# Altium PCB main_MM.PcbDoc (part 2 of 2) (continued)
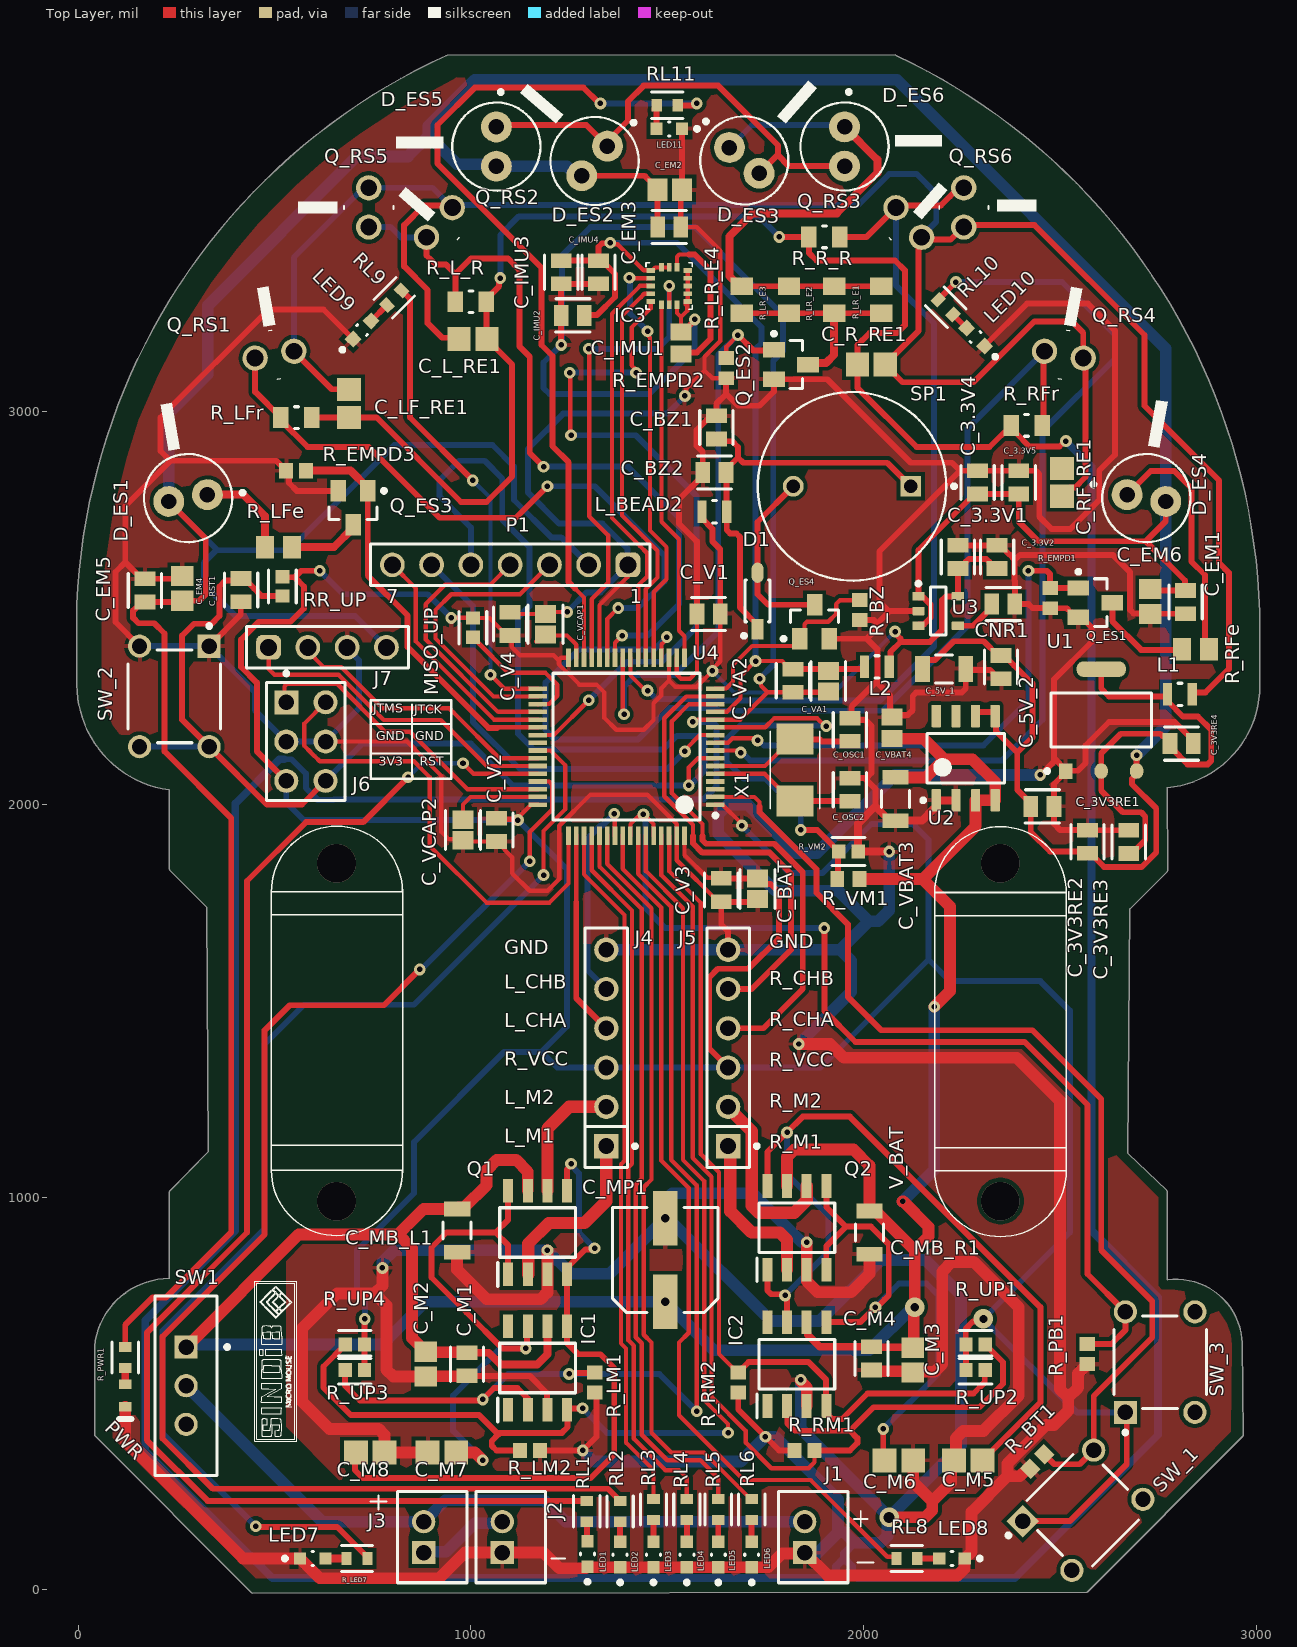
[diagram p0: Top Layer view]
## Nets (pads, with @x,y where several pads share a name; then routed paths per layer and width w, separated by ;. In a path a pad name is that pad's centre, name@x,y a point inside that pad or via, vN(x,y) a via of type N, cw(c..) or ccw(c..) an arc to the next point about the centre after c; other vN are vias at no path point) (continued)
  Top Layer w15: U1.4@2605,2344.45 2605,2295 2625,2275 2769.19,2275 L1.1@2773.5,2279.31 ; C_3V3RE3.1@2675,1875 2682.87,1875 2706.2,1898.33 2706.47,1898.33 2717.07,1908.93 2717.07,1969.45 2706.52,1980 2660,1980 2605,2035 2605,2130 2655,2180 2755,2180 2760.93,2174.07 2768.8,2174.07 2780,2162.87 C_3V3RE4.1@2780,2155 ; L1.1@2773.5,2280 L1.1@2773.5,2279.31 ; C_3V3RE4.1@2777.13,2150 2804.86,2122.27 2804.86,2122 2813.93,2112.93 2814.2,2112.93 2825.04,2102.08 2876.21,2102.08 2885,2110.87 2885,2190 2851.52,2223.48 2813.3,2223.48 2773.5,2263.27 L1.1@2773.5,2279.31
NetC_BZ1_1: C_BZ1.1 C_BZ2.1 D1.1 L_BEAD2.1 SP1.1 | length 1050.1
  Top Layer w15: C_BZ1.1@1625,2930.47 1630.76,2924.71 1665.29,2924.71 1680,2910 1680,2883.35 ; C_BZ2.1@1649.53,2845 1649.53,2852.87 1680,2883.35 ; L_BEAD2.1@1650.51,2745.98 C_BZ2.1@1650.51,2844.02 ; L_BEAD2.1@1651.5,2745 1651.5,2698.79 1660.28,2690 1676.21,2690 1685,2681.21 1685,2502.05 1730,2457.05 D1.1@1730,2446.3 ; SP1.1@2120,2810 2060,2870 1693.35,2870 1680,2883.35
NetC_IMU1_2: C_IMU1.2 IC3.14 | length 391.4
  Top Layer w11: IC3.14@1524.69,3367.24 1524.69,3394.14 1530.54,3400 1550,3400
  Top Layer w15: C_IMU1.2@1535,3147.44 1538.42,3150.86 1575.29,3150.86 1610,3185.57 1610,3360 1570,3400 1555,3400
NetC_M5_1: C_M5.1 IC2.7 Q2.1 Q2.8 | length 2147.6
  Top Layer w15: Q2.1@1755,815 1755,762.48 1764.61,752.87 1797.13,752.87 v1(1800,750) 1800,745.94 1805,740.94 IC2.7@1805,681.77 ; Q2.8@1755,1028.54 1755,1115 v1(1805,1165) 1845,1205 1965,1205 2450,720 2450,477.17 C_M5.1@2302.83,330
  Bottom Layer w15: v1(1800,750) 1910,860 1910,953.37 1805,1058.37 v1(1805,1165)
NetC_M6_1: C_M6.1 IC2.5 Q2.4 Q2.5 | length 1376.7
  Top Layer w15: IC2.5@1905,681.77 1991.77,681.77 v1(2030,720) 2034.06,720 2053.13,739.07 2053.36,739.07 2063.96,749.68 2063.96,879.89 2018.85,925 1955,925 ; Q2.4@1905,815 1905,875 1955,925 ; Q2.5@1905,1028.54 1905.19,1028.36 1905.19,974.81 1955,925 ; v1(2050,410) 2050,333.58 C_M6.1@2053.58,330
  Bottom Layer w15: v1(2030,720) 2090,780 2160,780 2190,750 2190,550 v1(2050,410)
NetC_M7_1: C_M7.1 IC1.7 Q1.1 Q1.8 | length 1375.1
  Top Layer w15: Q1.1@1095,803.23 1095,877.84 1062.84,910 ; Q1.8@1095,1016.77 1095,942.16 1062.84,910 ; IC1.7@1145,671.77 1143.27,670.04 1143.27,622.32 1140,619.06 v1(1140,615) 1080.27,615 988.7,706.57 900,795.27 900,871.8 938.2,910 1062.84,910
  Top Layer w30: C_M7.1@962.84,350 1010,350 v1(1030,330)
  Bottom Layer w15: v1(1030,330) 955,405 955,495 1075,615 v1(1140,615)
NetC_M8_1: C_M8.1 IC1.5 Q1.4 Q1.5 | length 1703.2
  Top Layer w15: C_M8.1@714.23,350 705,340.77 705,305 725,285 1305,285 1365,345 1365,565 1330,600 1273.17,600 1245.13,628.04 1245.13,671.64 IC1.5@1245,671.77 Q1.4@1245,803.23 1245,820.45 1291.68,867.13 1312.13,867.13 v1(1315,870) ; Q1.5@1245,1016.77 1245,1070.94 1255,1080.94 v1(1255,1085)
  Bottom Layer w15: v1(1255,1085) 1255,1080.94 1275,1060.94 1275,910 v1(1315,870)
NetC_OSC1_1: C_OSC1.1 U4.6 X1.1 | length 365.1
  Top Layer w11: U4.6@1622.76,2097.84 1748.74,2097.84 X1.1@1817.13,2166.22
  Top Layer w15: X1.1@1825,2166.22 1825.75,2165.47 1888.84,2165.47 1893.84,2160.47 C_OSC1.1@1965,2160.47
NetC_OSC2_1: C_OSC2.1 U4.5 X1.2 | length 362.2
  Top Layer w11: U4.5@1622.76,2078.15 1623.03,2077.87 1748,2077.87 X1.2@1817.13,2008.74
  Top Layer w15: X1.2@1825,2008.74 C_OSC2.1@1964.09,2008.74
NetC_VCAP1_2: C_VCAP1.2 U4.31 | length 128.2
  Top Layer w11: C_VCAP1.2@1166.86,2415.02 C_VCAP1.2@1172.31,2415.02 ; C_VCAP1.2@1190,2432.71 1192.71,2430 1245,2430 1268.15,2406.85 1268.15,2373.71 U4.31@1268.43,2373.43 U4.31@1268.7,2373.7
NetC_VCAP2_2: C_VCAP2.2 U4.47 | length 236.8
  Top Layer w11: C_VCAP2.2@980,1961.14 980,2000 999.1,2019.1 U4.47@1170,2019.1
NetCNR1_1: CNR1.1 U3.4 | length 113.5
  Top Layer w15: U3.4@2240,2455 2279.01,2455 2326.13,2502.13 CNR1.1@2326.13,2510
NetD1_2: D1.2 Q_ES4.3 SP1.2 | length 468.7
  Top Layer w15: SP1.2@1820.79,2810 1730,2719.21 1730,2535 1756.69,2508.31 Q_ES4.3@1875,2508.31
NetD_ES1_1: D_ES1.1 R_LFe.2 | length 248.2
  Top Layer w20: D_ES1.1@329.24,2788.68 421.32,2788.68 475.55,2734.45 R_LFe.2@475.55,2655
NetD_ES2_1: D_ES2.1 D_ES3.2 D_ES5.1 D_ES6.2 | length 1166.1
  Top Layer w15: D_ES5.1@1075,3730 1293.84,3730 D_ES2.1@1347.8,3676.04 1347.8,3689.41 1400,3741.6 1400,3790 1440,3830 1630,3830 1782.5,3677.5 1782.5,3655.53 1780.99,3654.01 ; D_ES3.2@1733.88,3606.91 1780.99,3654.01 ; D_ES6.2@1951.44,3625.22 1834.78,3625.22 1809.78,3625.22 1780.99,3654.01
NetD_ES3_1: D_ES3.1 D_ES6.1 R_LR_E1.2 R_LR_E2.2 R_LR_E3.2 R_LR_E4.2 | length 1369.3
  Top Layer w15: R_LR_E4.2@1690,3319.45 R_LR_E3.2@1810,3319.45 R_LR_E2.2@1925,3319.45 R_LR_E1.2@2045,3319.45
  Top Layer w20: R_LR_E4.2@1690,3319.45 1684.09,3319.45 1658.37,3345.17 1658.37,3446.41 1716.96,3505 1931.96,3505 2035,3608.04 2035,3641.65 D_ES6.1@1951.44,3725.22
  Bottom Layer w15: D_ES3.1@1658.41,3672.51 1715.89,3730 1910,3730
NetD_ES4_1: D_ES4.1 R_RFe.2 | length 635.9
  Top Layer w15: D_ES4.1@2670.76,2788.68 2731.11,2849.03 2790.97,2849.03 2835,2805 2835,2618.03 2869.03,2584 2869.03,2405.42 R_RFe.2@2879.45,2395
NetJ1_2: J1.2 J3.2 SW1.2 | length 1763.6
  Bottom Layer w30: SW1.2@275,520 621.26,173.74 J3.2@880,173.74 934.53,228.27 1186.73,228.27 1241.26,173.74 J1.2@1850,173.74
NetJ2_2: J2.2 J3.1 | length 232.6
  Bottom Layer w30: J3.1@880,95 881.95,96.95 936.95,96.95 1010,170 1076.26,170 J2.2@1080,173.74
NetLED1_2: LED1.2 RL1.1 | length 50.5
  Top Layer w15: RL1.1@1295.01,173.44 1296.03,172.42 1296.03,124.84 LED1.2@1297.05,123.82
NetLED2_2: LED2.2 RL2.1 | length 50.9
  Top Layer w15: LED2.2@1380,122.48 RL2.1@1380,173.36
NetLED3_2: LED3.2 RL3.1 | length 55.9
  Top Layer w15: LED3.2@1465,122.48 RL3.1@1465,178.36
NetLED4_2: LED4.2 RL4.1 | length 61.5
  Top Layer w15: LED4.2@1545,122.48 1550,127.48 RL4.1@1550,178.36 RL4.1@1547.5,175.86
NetLED5_2: LED5.2 RL5.1 | length 55.9
  Top Layer w15: LED5.2@1630,122.48 RL5.1@1630,178.36
NetLED6_2: LED6.2 RL6.1 | length 55.9
  Top Layer w15: LED6.2@1715,122.48 RL6.1@1715,178.36
NetLED7_2: LED7.2 R_LED7.1 | length 53.4
  Top Layer w20: LED7.2@630,80 R_LED7.1@683.36,80
NetLED8_2: LED8.2 RL8.1 | length 55.9
  Top Layer w15: RL8.1@2136.64,80 LED8.2@2192.52,80
NetLED9_2: LED9.2 RL9.1 | length 56.9
  Top Layer w15: LED9.2@745.93,3230.93 RL9.1@786.16,3271.16
NetLED10_2: LED10.2 RL10.1 | length 48.6
  Top Layer w15: RL10.1@2227.68,3247.32 LED10.2@2262.03,3212.97
NetLED11_2: LED11.2 RL11.1 | length 64.5
  Top Layer w15: RL11.1@1467.52,3770 RL11.1@1470.44,3772.92 ; LED11.2@1472.52,3720 1472.94,3720.42 1472.94,3779.58 RL11.1@1473.36,3780
NetMISO_UP_1: MISO_UP.1 U4.35 | length 352.8
  Top Layer w11: MISO_UP.1@1005,2425.37 1006.01,2425.37 1017.34,2414.04 1017.34,2413.03 1095.37,2335 1190,2335 1220,2305 1220,2276.38 1199.21,2255.59 1170.28,2255.59 U4.35@1170,2255.32
NetPWR_1: PWR.1 R_PWR1.1 | length 41.5
  Top Layer w20: PWR.1@120,523.54 R_PWR1.1@120,565
NetQ_ES1_3: Q_ES1.3 R_RFe.1 | length 266.2
  Top Layer w15: Q_ES1.3@2633.31,2513.68 2633.31,2466.69 2706.55,2393.45 R_RFe.1@2822.2,2393.45
NetQ_ES2_3: Q_ES2.3 R_LR_E1.1 R_LR_E2.1 R_LR_E3.1 R_LR_E4.1 | length 537.6
  Top Layer w15: R_LR_E4.1@1690,3250.55 R_LR_E3.1@1810,3250.55 R_LR_E2.1@1925,3250.55 R_LR_E1.1@2045,3250.55
  Top Layer w20: Q_ES2.3@1858.31,3120 1862.3,3123.99 1903.99,3123.99 1925,3145 R_LR_E2.1@1925,3250.55
NetQ_ES3_3: Q_ES3.3 R_LFe.1 | length 183.6
  Top Layer w20: R_LFe.1@544.45,2655 651.18,2655 700,2703.82 Q_ES3.3@700,2711.69
R_RECEIVER: Q_RS3.1 Q_RS6.1 R_R_R.2 U4.24 | length 2426.9
  Top Layer w11: U4.24@1406.22,2373.43 1406.5,2373.15 1406.5,2328.5 1445,2290 v1(1450,2290)
  Top Layer w15: R_R_R.2@1939.37,3445 1986.7,3445 2007.76,3445 Q_RS3.1@2082.2,3519.44 2087.76,3525 2196.64,3525 2219.94,3548.3 2241.64,3570 Q_RS6.1@2255,3570
  Bottom Layer w15: v1(1450,2290) 1471.63,2268.37 1633.98,2268.37 1638.22,2264.13 2041.21,2264.13 2179.69,2402.6 2179.69,3224.46 2082.2,3321.95 Q_RS3.1@2082.2,3519.44
RENCHA: J5.4 U4.14 | length 1282.3
  Top Layer w11: 1590,1920 1590,1950.26 1511.51,2028.75 1511.51,2211.51 1555.32,2255.32 U4.14@1622.76,2255.32
  Top Layer w15: 1590,1920 1590,1908.79 1598.79,1900 1772.65,1900 1845,1827.65 1845,1530 1745,1430 J5.4@1655,1430
RENCHB: J5.5 U4.15 | length 1178.1
  Top Layer w11: 1565.42,1920 1565.42,1948.15 1492.63,2020.93 1492.63,2219.33 1548.31,2275 U4.15@1622.76,2275
  Top Layer w15: 1565.42,1920 1565.42,1901.02 1589.31,1877.13 1761.1,1877.13 1815,1823.23 1815,1630 1715,1530 J5.5@1655,1530
RESET: C_RST1.1 J6.6 P1.5 RR_UP.1 SW_2.2 SW_2.4 U4.7 | length 4164.9
  Top Layer w11: v1(1555,2048.37) 1555,2094.04 1578.48,2117.52 U4.7@1622.76,2117.52
  Top Layer w15: RR_UP.1@520,2530.37 467.55,2530.37 457.07,2540.84 457.07,2541.07 448,2550.14 447.73,2550.14 422.87,2575 C_RST1.1@415,2575 409.71,2569.71 374.71,2569.71 360,2555 360,2480 340,2460 295,2460 265,2430 265,2215.63 SW_2.2@333.58,2147.05 480.63,2000 570,2000 J6.6@630,2060
  Bottom Layer w15: SW_2.4@156.42,2147.05 SW_2.2@333.58,2147.05 ; J6.6@630,2060 725,2155 1000,2155 1106.63,2048.37 v1(1555,2048.37) ; P1.5@1000,2610 1000,2705.21 920,2785.21 920,2825 970,2875 1035,2875 1080,2830 1080,2725 1149,2656 1149,2504.65 1120,2475.65 1120,2180 1160,2140 1490,2140 1524.51,2174.51 1586.21,2174.51 1595,2165.72 1595,2085 v1@1555,2045
RF_EMITTER: Q_ES1.1 R_EMPD1.2 U4.9 | length 1353.8
  Top Layer w11: U4.9@1622.76,2156.89 1623.04,2157.17 1654.81,2157.17 1666.13,2168.49 1719.13,2168.49 1724.86,2162.77 v1(1730,2162.77)
  Top Layer w15: v1(2419.51,2595) 2466.21,2595 2475,2586.21 R_EMPD1.2@2475,2550.59 2475.25,2550.84 2546.45,2550.84 Q_ES1.1@2546.69,2551.08
  Bottom Layer w15: v1(1730,2162.77) 1733.52,2162.77 1746.29,2150 2305,2150 2419.51,2264.51 v1(2419.51,2595)
RF_RECEIVER: Q_RS4.1 R_RFr.2 U4.20 | length 2717.8
  Top Layer w11: U4.20@1484.96,2373.43 1485.24,2373.71 1485.24,2407.56 1498.77,2421.09 v1(1498.77,2426.23)
  Top Layer w15: R_RFr.2@2454.37,2965 2457.57,2968.2 2457.57,3150.49 Q_RS4.1@2460.76,3153.68
  Bottom Layer w15: v1(1498.77,2426.23) 1467.04,2394.51 1274.51,2394.51 1190,2310 1190,2190 1215,2165 1425,2165 1505.49,2245.49 1624.51,2245.49 1631.44,2238.56 2048.56,2238.56 2265,2455 2265,2957.92 Q_RS4.1@2460.76,3153.68
RPWMA: IC2.2 R_RM1.2 R_UP1.1 U4.61 | length 2796.8
  Top Layer w11: U4.61@1484.96,1920.67 1484.96,1820.04 1565,1740 1565,1100 1612.75,1052.25 1612.75,492.25 1700,405 1700,375 1765,310 1860,310 1875,325 R_RM1.2@1875,355
  Top Layer w15: IC2.2@1805.88,467.06 1805.88,424.5 1825.19,405.19 1965.19,405.19 ; R_RM1.2@1875,355 1965,355 1983.97,373.97 1983.97,386.4 1965.19,405.19 ; R_UP1.1@2309.63,625 2355,579.63 2355,525 2295,465 2025,465 1965.19,405.19
RPWMB: IC2.4 R_RM2.2 R_UP2.1 U4.62 | length 2262.2
  Top Layer w11: U4.62@1504.65,1920.67 1504.86,1920.46 1504.86,1830.14 1585.72,1749.28 1585.72,1109.28 1631.62,1063.38 1631.62,600.98 1678.82,553.78 R_RM2.2@1680.79,553.78 ; IC2.4@1903.77,469.46 IC2.4@1905,468.23
  Top Layer w15: R_RM2.2@1680.79,553.78 1682.76,553.78 1692.98,563.99 1692.98,565.96 1707.02,580 1860,580 1903.77,536.23 IC2.4@1903.77,469.46 ; IC2.4@1905,468.23 1905,451 1921,435 1945,435 2010,500 2280,500 2308.45,528.45 2308.45,558.82 R_UP2.1@2310.71,561.08
RX: J7.1 U4.43 | length 842.4
  Top Layer w11: J7.1@485,2400 485,2345 500,2330 663.31,2330 778.31,2215 923.31,2215 1040.47,2097.84 U4.43@1170,2097.84
SCK: IC3.2 U4.21 | length 1075
  Top Layer w11: v1(1403.82,3341.18) 1405.31,3339.69 IC3.2@1457.76,3339.69 ; v1(1450,3205) 1452.87,3202.13 1452.87,3191.83 1455.98,3188.71 1455.98,2697.23 1498.13,2655.08 1498.13,2615 1498.13,2573.13 1465.28,2540.28 U4.21@1465.28,2373.43
  Bottom Layer w15: v1(1403.82,3341.18) 1405,3340 1405,3250 v1(1450,3205)
SDI: IC3.3 U4.23 | length 1050.7
  Top Layer w11: U4.23@1425.91,2373.43 1425.91,2557.4 1449,2580.49 1449,2611 1449,2639.52 1429.52,2659 1359.13,2729.38 1359.13,3249.13 1430.28,3320.28 1457.48,3320.28 IC3.3@1457.76,3320
SDO: IC3.4 U4.22 | length 1016.2
  Top Layer w11: U4.22@1445.59,2373.43 1445.59,2548.26 1475.26,2577.93 1475.26,2614.74 1475,2615 1475,2645.86 1438.99,2681.87 1385,2735.86 1385,3243.31 1433.43,3291.74 1433.43,3292.13 1441.34,3300.04 1457.48,3300.04 IC3.4@1457.76,3300.32
TB1: R_BT1.2 SW_1.2 U4.2 | length 2620.4
  Top Layer w11: U4.2@1622.76,2019.1 1721.88,2019.1 1735,2005.98 1735,1995
  Top Layer w15: 1735,1995 1735,1980 1880,1835 1880,1775 1960,1695 1960,1510 2045,1425 2430,1425 2605,1250 2605,865 2735,735 2735,642.87 2585.95,493.83 SW_1.2@2585.95,355.95 2550,320 2485,320 R_BT1.2@2460,345
TX: J7.2 U4.42 | length 707.9
  Top Layer w11: J7.2@585,2400 585,2390 625,2350 670,2350 775,2245 945,2245 956.87,2233.13 1072.48,2117.52 U4.42@1170,2117.52
V_BAT: C_M1.2 C_M2.1 C_M3.1 C_M4.2 C_MB_L1.2 C_MB_R1.2 C_MP1.1 C_VBAT3.1 C_VBAT4.2 IC1.6 IC2.6 Q1.7 Q2.7 R_VM1.2 SW1.1 U2.3 U2.4 | length 7009
  Top Layer w20: C_M1.2@990,604.06 1045.69,604.06 1075.86,573.89 1168.89,573.89 1195,600 IC1.6@1195,671.77 ; 1857.95,649.59 1888.49,619.06 C_M4.2@2020,619.06 2021.28,617.78 2123.72,617.78 C_M3.1@2125,616.5 ; C_MB_R1.2@2015,965 C_MB_R1.2@2029.76,965
  Top Layer w30: SW1.1@275,618.42 561.58,905 814.88,905 ; C_M2.1@872.2,619.29 850,641.5 850,869.88 814.88,905 ; C_M2.1@885,606.5 886.22,605.28 988.78,605.28 C_M1.2@990,604.06 ; Q1.7@1145,1016.77 1145,1065 1115,1095 1066.08,1095 1040,1068.92 1040,1030.35 983.46,973.82 968.7,973.82 C_MB_L1.2@965,970.12 880,970.12 814.88,905 ; Q2.7@1805,1028.54 1805,1102.43 1823.75,1121.17 1974.4,1121.17 2015,1080.58 C_MB_R1.2@2015,965 ; R_VM1.2@1990,1810 2150,1810 ; C_MB_R1.2@2029.76,965 2130,864.76 ; C_VBAT4.2@2072.29,2167.44 2152.56,2167.44 2205,2115 ; C_VBAT3.1@2081.15,2068.85 2158.85,2068.85 2205,2115 ; v6(2099.17,989.17) 2100.83,989.17 2165.19,924.81 2165.19,899.96 2130,864.76 ; C_M3.1@2125,616.5 2127.5,619 2127.5,717.5 v3(2130,720) 2130,864.76 ; v1(2180,1485) 2220,1525 2220,1740 2150,1810 ; 2150,1810 2285,1945 U2.3@2285,2010.43 U2.4@2335,2010.43 2335,2057.08 2277.08,2115 2205,2115
  Bottom Layer w30: SW1.1@275,618.42 281.58,625 775,625 883.7,733.7 v3(1495,733.7) 1618.7,610 2014.59,610 2124.59,720 v3(2130,720) ; v6(2099.17,989.17) 2180,1070 v1(2180,1485)
VOL_METER: R_VM1.1 R_VM2.2 U4.11 | length 1102.3
  Top Layer w11: U4.11@1622.76,2196.26 1749.33,2196.26 1772.16,2219.09 1881.73,2219.09 1901.31,2199.51 v1(1905,2199.51)
  Top Layer w15: v1(1840,1935) 1881.82,1935 1926.49,1890.34 1927.5,1890.34 1936.82,1881.01 R_VM2.2@1936.82,1880 1934.87,1878.04 1934.87,1811.96 R_VM1.1@1932.91,1810
  Bottom Layer w15: v1(1840,1935) 1840,1975 1748.69,2066.31 1693.69,2066.31 1650.87,2109.13 1650.87,2165.87 1685.96,2200.96 1903.54,2200.96 v1(1905,2199.51)
pads on no net: C_RF_RE1.1 IC1.1 IC1.8 IC2.1 IC2.8 SW1.3 SW_1.3 SW_1.4 SW_3.3 SW_3.4 U2.7 U2.8 U4.3 U4.4 U4.40
copper on no net:
  other v2: 658.03,990 2348.31,990 658.03,1850 2348.31,1850

## Polygon pours and split planes (outlines as drawn)
GND on Top Layer "TOP_LAYER_GND" (solid, remove dead copper, pour order 7): 60,2295 60,2515 65,2580 75,2650 90,2745 125,2885 155,2980 205,3095 270,3220 340,3330 405,3415 460,3480 506.6,3528.34 554.15,3574.75 613.81,3629.08 661.8,3666.35 719.23,3708.73 804.43,3764.78 953.89,3844.55 964.67,3851.73 1432.48,3849.58 2053.35,3849.58 2155.39,3799.99 2269.65,3729.57 2376,3650.52 2470.86,3566.45 2567.87,3464.41 2678.82,3322.9 2740.32,3222.96 2805.19,3099.88 2864.79,2957.56 2898.33,2842.29 2930.58,2690.24 2939.51,2624.09 2947.49,2535.03 2949.89,2317.76 2950.69,2298.19 2948.69,2271.83 2940.3,2238.28 2927.52,2205.53 2910.75,2180.77 2891.58,2157.6 2853.64,2128.05 2812.5,2110.48 2765.37,2100.49 2734.22,2098.89 2735,1845 2635,1745 2635,1115 2750,1000 2750,775 2759.48,764.51 2791.95,764.34 2823.4,759.89 2855.19,748.27 2886.12,727.93 2903.9,708.96 2924.23,678.37 2934.32,650.17 2937.91,624.19 2934.54,402.51 2569.35,29.97 452.08,29.73 88.48,387.8 87.39,607.67 95,641.72 102.97,662.01 127.32,697.51 154.14,720.46 181.25,735.12 203.37,747.01 237.38,747.56 271.4,746.18 269.46,1013.59 364.59,1110.11 365.14,1758.87 270.57,1855.38 271.42,2094.09 258.51,2106.99 225.3,2108.28 173.56,2124.41 115.13,2166.7 87.87,2201.2 69.51,2247.93 65,2250
AGND on Top Layer "TOP_LAYER_AGND" (solid, remove dead copper, pour order 5): 1105,3395 1185,3475 1350,3475 1405,3420 1560,3420 1650,3330 1650,3190 1540,3080 1215,3080 1105,3190
MGND on Top Layer "TOP_LAYER_MGND" (solid, remove dead copper, pour order 6): 530,920 530,415 700,245 2445,245 2550,350 2550,795 2055,1290 900,1290
3.3V on Top Layer "TOP_LAYER_3V3" (solid, remove dead copper, pour order 4): 930,2485 975,2530 1650,2530 1770,2410 1770,1800 1755,1785 1620,1785 1540,1865 1540,1985 1465,2060 1260,2060 1125,1925 1125,1880 1110,1865 950,1865 930,1885
GND on Bottom Layer "BOTTOM_LAYER_GND" (solid, remove dead copper, pour order 3): 60,2435 65,2480 65,2520 70,2550 75,2605 80,2645 95,2735 110,2810 135,2900 165,2990 205,3085 265,3200 325,3300 390,3390 460,3475 550,3565 610,3620 700,3690 880,3805 960,3845 2045,3845 2180,3775 2280,3710 2395,3620 2470,3555 2540,3480 2595,3410 2660,3330 2725,3230 2795,3095 2840,2990 2880,2865 2915,2720 2930,2615 2940,2445 2950,2415 2950,2266.42 cw(c2850,2266.42) 2920.71,2195.71 2915,2190 cw(c2890.86,2190) 2907.93,2172.93 2864.29,2129.29 cw(c2793.58,2200) 2793.58,2100 2735,2100 2735,1845 2635,1745 2635,1115 365,1115 365,1760 270,1855 270,2095 260,2105 216.42,2105 cw(c216.42,2205) 145.71,2134.29 94.29,2185.71 cw(c165,2256.42) 65,2256.42 65,2257.93 cw(c77.07,2270) 60,2270 60,2360
V_BAT on Bottom Layer "BOTTOM_LAYER_VBAT" (solid, remove dead copper, pour order 2): 280,975 375,1070 875,1070 555,750 555,390 725,390 2382.48,382.52 2441.1,382.52 2440,690 2060,1070 2625,1070 2720,975 2720,805 2775,750 2808.58,750 cw(c2808.58,650.01) 2879.29,720.71 2895.71,704.29 cw(c2825.02,633.59) 2925,633.58 2925,395 2565,35 490,35 85,440 85,615 cw(c155.36,615.86) 97.95,656.54 98.1,657.16 cw(c274.27,554.79) 236.42,755 255,755 280,780
MGND on Bottom Layer "BOTTOM_LAYER_MGND" (solid, remove dead copper, pour order 0): 585,745 910,1070 2010,1070 2405,675 2405,420.53 587.06,420.53

## Silkscreen, mask and mechanical layers (free items; w line width, h text height)
Top Overlay:
  drawing of 719 lines, arcs and shapes, not listed
  text "JTMS" at 751.53,2225.26 h40
  text "JTCK" at 855.56,2223.01 h40
  text "GND" at 758.83,2155.55 h40
  text "GND" at 858.88,2156.01 h40
  text "3V3" at 765,2090.44 h40
  text "RST" at 870,2090.44 h40
  text "GND" at 1760,1620.69 h62
  text "GND" at 1085,1605.69 h62
  text "R_CHB" at 1760,1527.02 h62
  text "L_CHB" at 1085,1518.02 h62
  text "R_CHA" at 1760,1423.02 h62
  text "L_CHA" at 1085,1420.02 h62
  text "R_VCC" at 1085,1322.02 h62
  text "R_VCC" at 1760,1319.02 h62
  text "L_M2" at 1085,1224.02 h62
  text "R_M2" at 1760,1215.02 h62
  text "L_M1" at 1085,1126.02 h62
  text "R_M1" at 1760,1111.02 h62
  text "V_BAT" at 2113.98,1020.06 h62 r90
Bottom Overlay:
  text "3V3" at 2060.69,2470 h62 r270
  text "5V" at 2675.69,2155 h62 r270
  text "GND" at 2425.69,2095 h62 r270
Top Designator:
  lines w5: 850,2255 850,2265
Top Assembly:
  text "R_LFe" at 430.62,2716.69 h62
  text "R_EMPD1" at 2445,2614.44 h25
  text "C_EM6" at 2644.09,2606.36 h62
  text "Q_ES4" at 1809.74,2554.41 h25
  text "Q_ES1" at 2566.51,2409.94 h40
  text "R_RFe" at 2968.98,2305 h62 r90
  text "C_VBAT4" at 2031.3,2113.62 h25
  text "U4" at 1365,2070.69 h62
  text "X1" at 1790,2070 h62
  text "R_VM1" at 1894.05,1731.03 h62
  text "C_M3" at 2204.57,544.57 h62 r90
  text "R_PB1" at 2518.51,544.57 h62 r90
Board Shape:
  lines w6: 0,2506.87 0,2305 ccw(c267.29,2305.34) 235,2040 235,1835 330,1740 335,1115 235.09,1013 235,788.81 ; 0,2510 cw(c1605.49,2441.94) 940.15,3904.66 ; 45,620 cw(c233.23,600.81) 235,790 ; 45.22,620 45.22,393.43 443.65,-5 2568.46,-2.47 2963.21,393.23 2961,627.42 ccw(c2796.24,623.02) 2771.46,785.96 ; 940,3905 2081.02,3905.31 ; 2080,3905 cw(c1392.94,2446.02) 3005,2490 3005,2330 ; 2770,790 2770,1015 2670,1110 2675,1735 2771.28,1831.4 2770.02,2041.82 ; 3005,2325 cw(c2747.5,2302.5) 2770,2045 ; 2770,2045 2770,2045 ; 2770,2045 2770,2045
  lines w10: -1428.39,-902.9 -1408.39,-962.9 ; -1428.41,4803.84 -1408.41,4863.84 ; -1418.39,-962.9 -1398.39,-962.9 ; -1418.41,4863.84 -1398.41,4863.84 ; -1408.4,1554.59 -1408.39,-962.9 ; -1408.4,2346.35 -1408.41,4863.84 ; -1408.36,-972.99 -1408.36,-952.99 ; -1388.39,-902.9 -1408.39,-962.9 ; -1388.41,4803.84 -1408.41,4863.84 ; -1348.36,-982.99 -1408.36,-962.99 ; -1348.36,-942.99 -1408.36,-962.99 ; 24.08,-1125 24.08,-1105 ; 84.08,-1135 24.08,-1115 ; 84.08,-1095 24.08,-1115 ; 1109.13,-962.96 -1408.36,-962.99 ; 1253.17,-1115 24.08,-1115 ; 1805,-1115 3034.08,-1115 ; 1900.89,-962.95 4418.39,-962.91 ; 2974.08,-1135 3034.08,-1115 ; 2974.08,-1095 3034.08,-1115 ; 3034.08,-1125 3034.08,-1105 ; 4358.39,-982.91 4418.39,-962.91 ; 4358.39,-942.91 4418.39,-962.91 ; 4418.39,-972.91 4418.39,-952.91
  text "5826.749 (mil)" at -1444.39,2336.35 h60 r270
  text "5826.748 (mil)" at 1119.14,-998.95 h60
  text "3010 (mil)" at 1263.17,-1150.99 h60
Measurements:
  lines w3.94: -213.03,1364.3 -213.03,1424 -213.03,1482.41 ; -212.64,1364.3 160.99,1364.3 ; -212.64,1482.41 160.99,1482.41 ; 491.69,1132.02 145.24,1132.02 145.24,1718.63 491.69,1718.63 ; 2515.63,1126.08 2862.09,1126.08 2862.09,1716.63 2515.63,1716.63 ; 2845.95,1362.59 3219.58,1362.59 ; 3219.97,1362.59 3219.97,1480.7 ; 3219.96,1480.41 2846.34,1480.41 ; 160.99,1364.3 160.99,1187.13 1184.61,1187.13 1184.61,1659.57 160.99,1659.57 160.99,1482.41 ; 160.99,1364.3 160.99,1482.41 ; 2846.34,1480.41 2846.34,1657.57 1822.72,1657.57 1822.72,1185.13 2846.34,1185.13 2846.34,1480.41
  lines w4: -213.03,1424 3219.97,1424 ; 2959.97,2047 2959.97,2229
  lines w5: 196.68,3204.57 204.5,3207.36 ; 870.77,3847.63 873.29,3855.54 ; 2100.05,3909.08 2105.67,3902.97 ; 2133.08,3855.68 2135.59,3847.77 ; 2738.01,3213.44 2746.27,3214.26 ; 2800.53,3207.69 2808.36,3204.93
  lines w10: -680.03,59.1 -660.03,-0.9 ; -680.03,3840 -660.03,3900 ; -670.03,-0.9 440.17,-0.9 ; -660.03,1722.61 -660.03,-0.9 ; -660.03,2144.49 -660.03,3900 ; -640.03,59.1 -660.03,-0.9 ; -640.03,3840 -660.03,3900 ; -471.03,918.69 -451.03,858.69 ; -471.03,1931.02 -451.03,1991.02 ; -461.03,858.69 -213.03,858.69 ; -461.03,1991.02 -213.03,1991.02 ; -451.03,1207.91 -451.03,858.69 ; -451.03,1609.8 -451.03,1991.02 ; -431.03,918.69 -451.03,858.69 ; -431.03,1931.02 -451.03,1991.02 ; -372.03,-679 -372.03,858.69 -372.03,-175 ; -331.98,-165 -372.03,-165 ; -312.03,-689 -372.03,-669 ; -312.03,-649 -372.03,-669 ; -312.03,-185 -372.03,-165 ; -312.03,-145 -372.03,-165 ; 29.91,-165 101.97,-165 ; 41.97,-185 101.97,-165 ; 41.97,-145 101.97,-165 ; 46.97,-545 46.97,2376 ; 101.97,-175 101.97,884 ; 106.97,-555 46.97,-535 ; 106.97,-515 46.97,-535 ; 491.97,-408 491.97,1069 ; 551.97,-418 491.97,-398 ; 551.97,-378 491.97,-398 ; 1184.61,-270 1184.61,1187.13 ; 1244.61,-280 1184.61,-260 ; 1244.61,-240 1184.61,-260 ; 1277.03,-669 -372.03,-669 ; 1277.03,-398 491.97,-398 ; 1285.53,-535 46.97,-535 ; 1321.71,-260 1184.61,-260 ; 1653.61,-260 1822.72,-260 ; 1687.41,-535 2957.97,-535 ; 1698.9,-669 3379.97,-669 ; 1698.9,-398 2515.97,-398 ; 1762.72,-280 1822.72,-260 ; 1762.72,-240 1822.72,-260 ; 1822.72,-270 1822.72,1185.13 ; 2455.97,-418 2515.97,-398 ; 2455.97,-378 2515.97,-398 ; 2515.63,1067.02 3748.97,1067.02 ; 2515.63,1775.69 3748.97,1775.69 ; 2515.97,-408 2515.97,1067 ; 2846.34,1185.13 3530.97,1185.13 ; 2846.34,1657.57 3530.97,1657.57 ; 2897.97,-555 2957.97,-535 ; 2897.97,-515 2957.97,-535 ; 2957.97,-545 2957.97,2289 ; 3319.97,-689 3379.97,-669 ; 3319.97,-649 3379.97,-669 ; 3379.97,-679 3379.97,853.98 ; 3500.97,1245.13 3520.97,1185.13 ; 3500.97,1597.57 3520.97,1657.57 ; 3520.97,1224.4 3520.97,1185.13 ; 3520.97,1586.3 3520.97,1657.57 ; 3540.97,1245.13 3520.97,1185.13 ; 3540.97,1597.57 3520.97,1657.57 ; 3718.97,1127.02 3738.97,1067.02 ; 3718.97,1715.69 3738.97,1775.69 ; 3738.97,1224.41 3738.97,1067.02 ; 3738.97,1586.3 3738.97,1775.69 ; 3758.97,1127.02 3738.97,1067.02 ; 3758.97,1715.69 3738.97,1775.69
  lines w16: -373.03,1991.02 -186.07,1991.02 ; -372.03,1991.02 -372.03,858.69 -185.07,858.69 ; -213.03,858.69 101.93,858.69 101.93,1991.02 -213.03,1991.02 ; 3192.01,1986.31 3378.97,1986.31 3378.97,853.98 ; 3193.01,853.98 3379.97,853.98 ; 3219.97,853.98 2905.01,853.98 2905.01,1986.31 3219.97,1986.31
  text "3900.90" at -624.04,1738.61 h62 r90
  text "472.44" at 3556.96,1240.4 h62 r90
  text "708.67" at 3774.96,1240.41 h62 r90
  text "1132.33" at -415.04,1223.91 h62 r90
  text "474.00" at -315.98,-200.99 h62
  text "638.11" at 1337.71,-295.99 h62
  text "2024.00" at 1293.03,-433.99 h62
  text "2911.00" at 1301.53,-570.99 h62
  text "3752.00" at 1293.03,-704.99 h62

## Text inside footprints (layer, text, board x,y; h text height)
P1: Top Overlay "7" at 785,2500 h62; Top Overlay "1" at 1405,2500 h62